# KiCad board MacroBoard-rounded.kicad_pcb (continued)
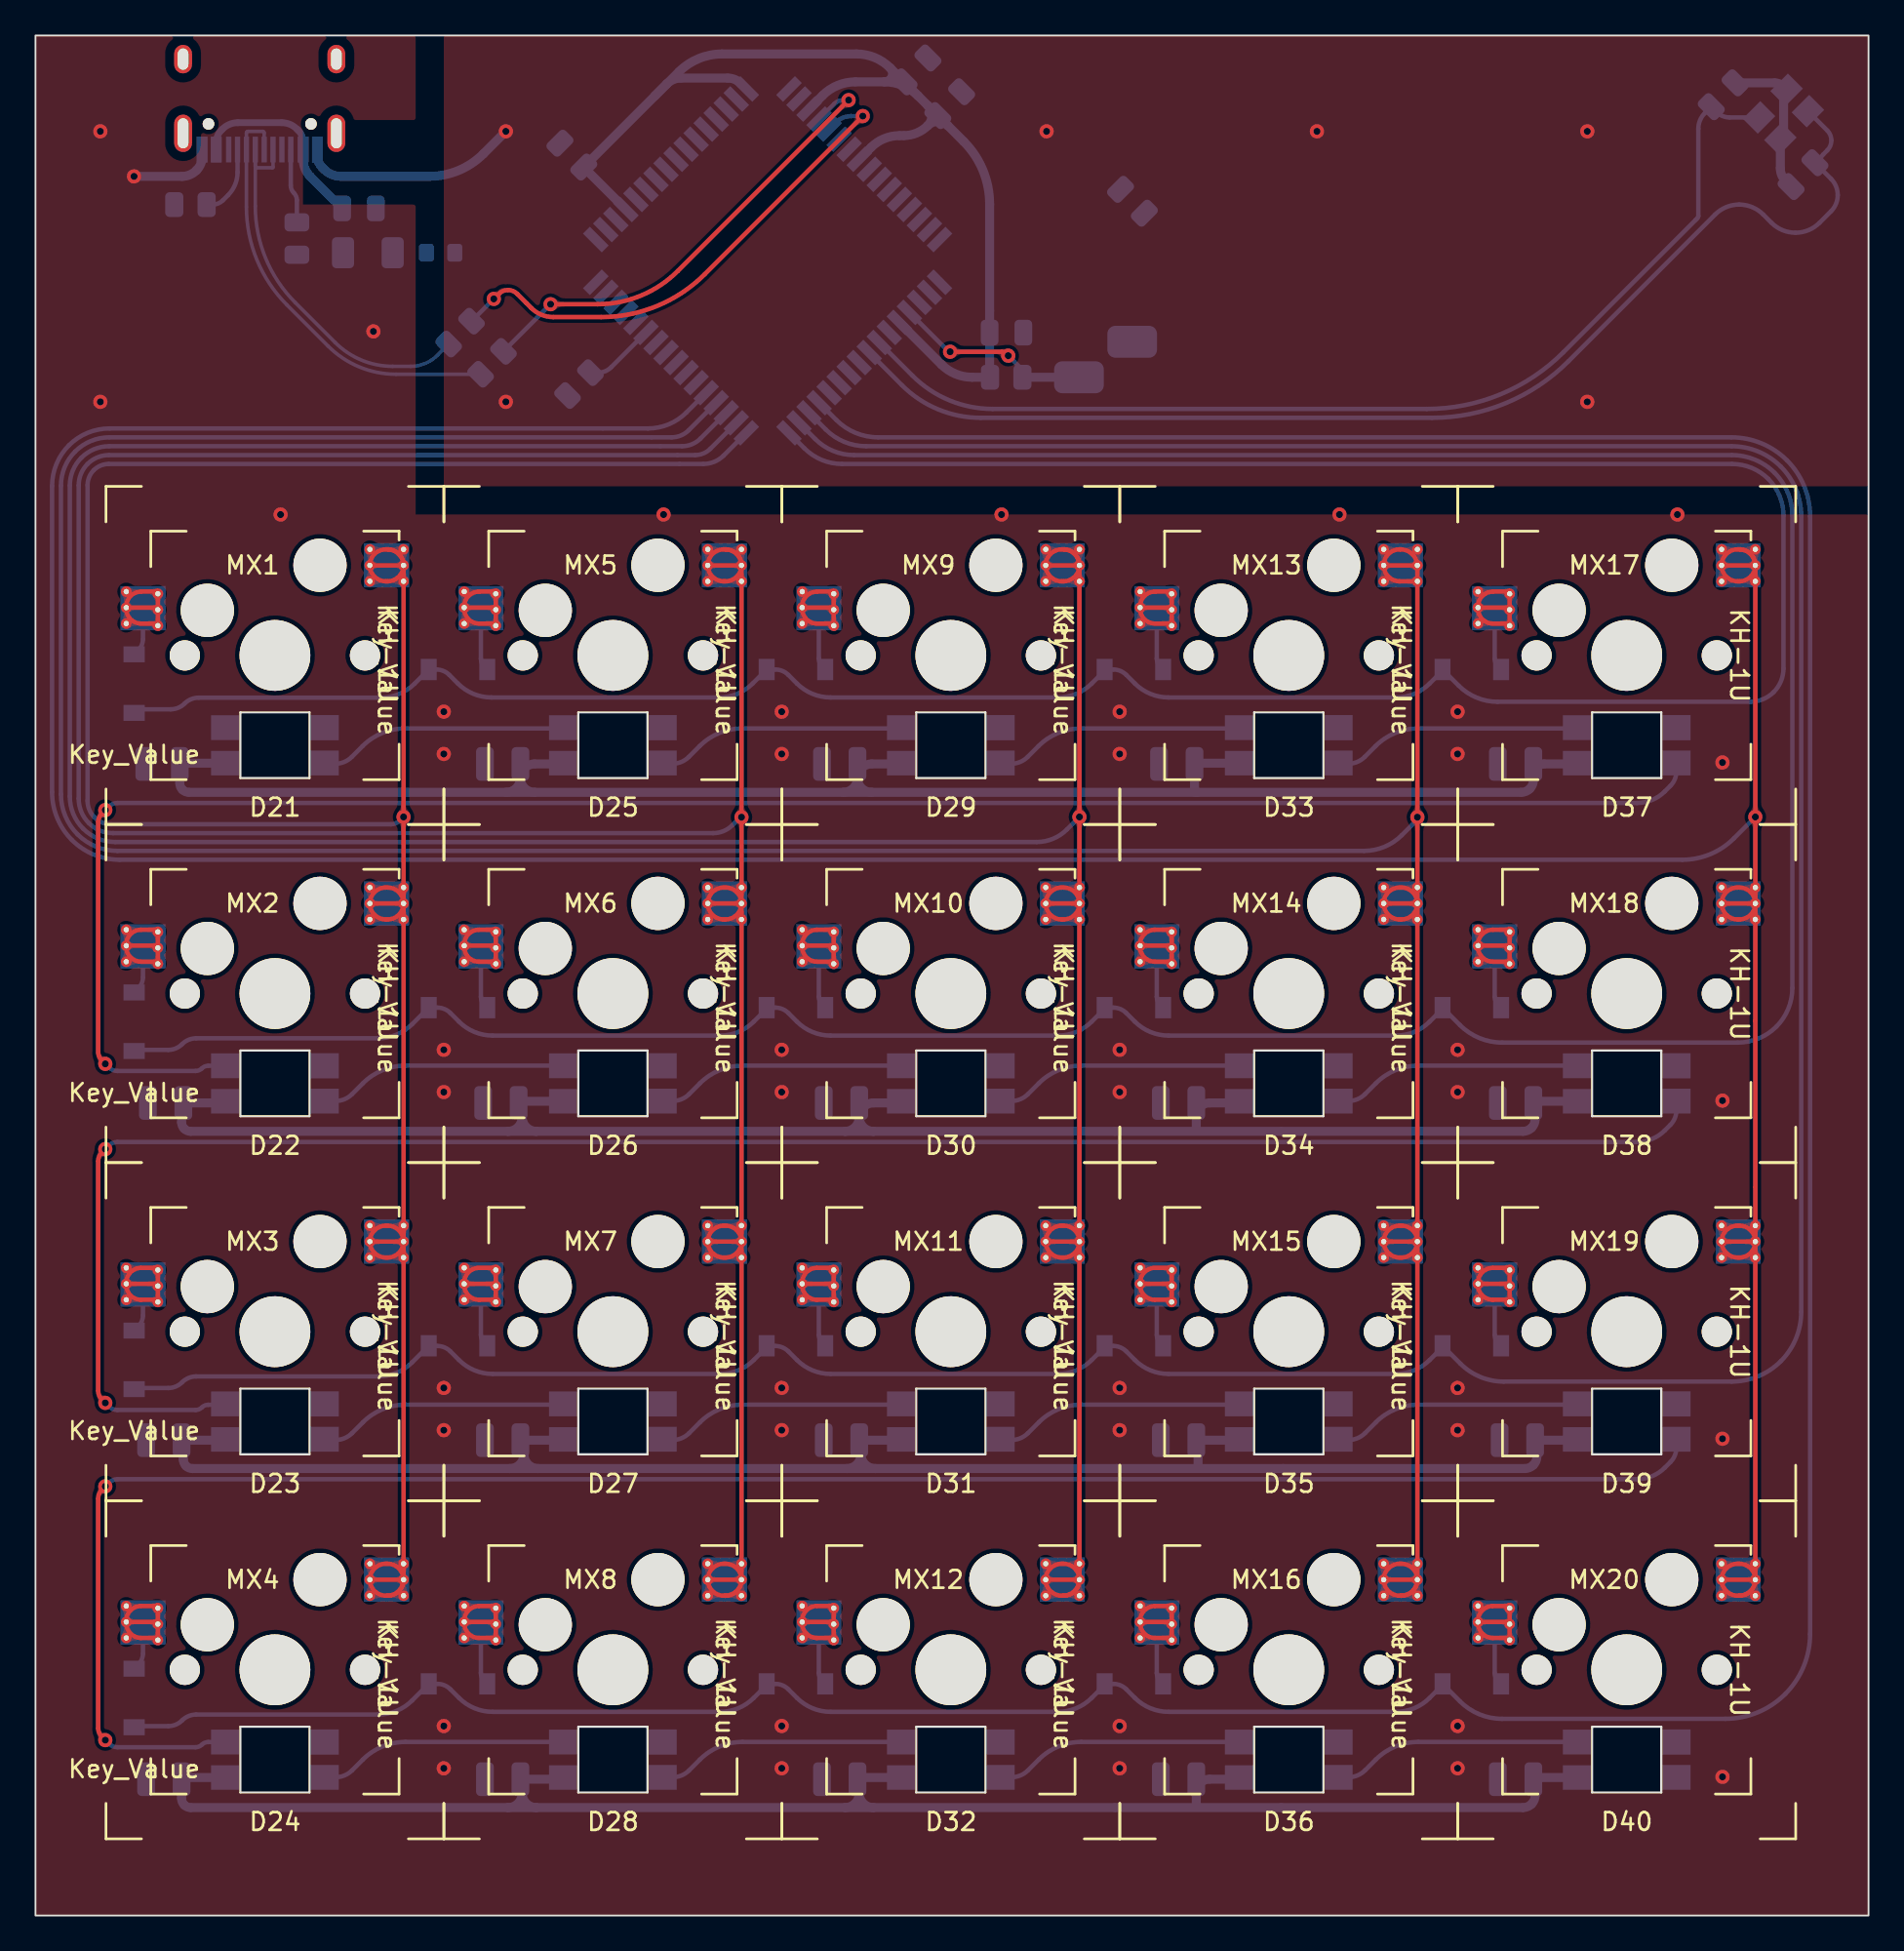
[diagram p0: board, top side]
## Routing (per net, layer and track width the routed paths; a pad name or vN(x,y) marks a point on that pad's centre or on a via; arc(x,y) is an arc through that point) (continued)
GND: length 26.1
  Bottom w0.508: C5.2 98.66,97.71 arc(98.44,98.05) 98.36,98.44 98.36,99.97 arc(98.38,100.09) 98.45,100.19 arc(98.52,100.29) 98.54,100.41 98.54,102.57 arc(98.56,102.68) 98.63,102.77 arc(98.66,102.86) 98.63,102.95 98.52,103.06 arc(98.3,103.2) 98.04,103.25 C6.2 ; v1(5.56,97.98) 8.26,97.98 arc(8.7,98.07) 9.06,98.31 9.09,98.34 arc(9.31,98.68) 9.39,99.07 J1.A1 ; J1.A12 15.89,99.13 arc(15.96,98.79) 16.15,98.5 16.28,98.37 arc(16.71,98.08) 17.22,97.98 22.18,97.98 arc(23.84,98.31) 25.25,99.25 v1(26.52,100.52)
  vias: v1(3.66,100.52) v1(3.66,85.28) v1(13.82,78.93) v1(19.05,89.25) v1(23.02,67.82) v1(23.02,65.44) v1(23.02,48.77) v1(23.02,46.39) v1(23.02,29.73) v1(23.02,27.34) v1(23.02,10.68) v1(23.02,8.3) v1(26.52,85.28) v1(35.41,78.93) v1(42.07,67.82) v1(42.07,65.44) v1(42.07,48.77) v1(42.07,46.39) v1(42.07,29.73) v1(42.07,27.34) v1(42.07,10.68) v1(42.07,8.3) v1(54.46,78.93) v1(57,100.52) v1(61.11,67.82) v1(61.11,65.44) v1(61.11,48.77) v1(61.11,46.39) v1(61.11,29.73) v1(61.11,27.34) v1(61.11,10.68) v1(61.11,8.3) v1(72.24,100.52) v1(73.51,78.93) v1(80.16,67.82) v1(80.16,65.44) v1(80.16,48.77) v1(80.16,46.39) v1(80.16,29.73) v1(80.16,27.34) v1(80.16,10.68) v1(80.16,8.3) v1(87.48,100.52) v1(87.48,85.28) v1(92.56,78.93) v1(95.1,64.96) v1(95.1,45.91) v1(95.1,26.86) v1(95.1,7.81)
VCC: length 11.1
  Bottom w0.381: J1.A4 10.19,99.9 arc(10.26,100.27) 10.47,100.58 10.55,100.65 arc(10.94,100.92) 11.41,101.01 13.88,101.01 arc(14.34,100.92) 14.74,100.65 14.81,100.58 arc(15.02,100.27) 15.09,99.9 J1.A9
  Bottom w0.508: J1.A9 15.09,98.94 arc(15.19,98.42) 15.49,97.98 C1.1 ; 17.29,93.66 17.27,93.64
COL0: length 166
  Top w0.25: MX4.1 MX4.1 ; MX4.1 arc(19.11,19.55) 19.75,19.82 19.85,19.82 arc(20.48,19.55) MX4.1 ; MX4.1 arc(19.11,18.28) 19.75,18.02 19.85,18.02 ; MX4.1 v1(20.75,61.89) MX1.1 ; MX4.1 arc(20.48,18.28) 19.85,18.02 ; MX4.1 arc(20.48,18.28) 19.85,18.02 ; 19.85,76.97 19.75,76.97 arc(19.11,76.7) MX1.1 ; 19.85,76.97 arc(20.48,76.7) MX1.1 ; 19.85,76.97 arc(20.48,76.7) MX1.1 ; MX3.1 MX3.1 ; MX3.1 arc(19.11,37.33) 19.75,37.07 19.85,37.07 arc(20.48,37.33) MX3.1 ; MX3.1 arc(19.11,38.6) 19.75,38.87 19.85,38.87 arc(20.48,38.6) MX3.1 ; MX1.1 MX1.1 ; MX1.1 arc(19.11,75.43) 19.75,75.17 19.85,75.17 arc(20.48,75.43) MX1.1 ; MX2.1 MX2.1 ; MX2.1 arc(19.11,57.65) 19.75,57.92 19.85,57.92 arc(20.48,57.65) MX2.1 ; MX2.1 arc(19.11,56.38) 19.75,56.12 19.85,56.12 arc(20.48,56.38) MX2.1
  Bottom w0.25: U1.33 38.79,82.26 arc(38.27,81.9) 37.65,81.78 4.13,81.78 arc(3.67,81.69) 3.29,81.43 arc(3.03,81.04) 2.94,80.59 2.94,62.8 arc(3.04,62.3) 3.32,61.87 arc(3.75,61.58) 4.26,61.48 20.04,61.48 arc(20.31,61.53) 20.54,61.69 v1(20.75,61.89)
COL1: length 186.2
  Top w0.25: 38.9,18.02 38.8,18.02 arc(38.16,18.28) MX8.1 ; 38.9,18.02 arc(39.53,18.28) MX8.1 ; 38.9,18.02 arc(39.53,18.28) MX8.1 ; MX8.1 v1(39.8,61.88) MX5.1 ; MX8.1 MX8.1 ; MX8.1 arc(39.53,19.55) 38.9,19.82 38.8,19.82 arc(38.16,19.55) MX8.1 ; MX5.1 MX5.1 ; MX5.1 arc(38.16,76.7) 38.8,76.97 38.9,76.97 ; MX5.1 arc(38.16,75.43) 38.8,75.17 38.9,75.17 arc(39.53,75.43) MX5.1 ; MX5.1 arc(39.53,76.7) 38.9,76.97 ; MX5.1 arc(39.53,76.7) 38.9,76.97 ; MX6.1 MX6.1 ; MX6.1 arc(38.16,57.65) 38.8,57.92 38.9,57.92 arc(39.53,57.65) MX6.1 ; MX6.1 arc(38.16,56.38) 38.8,56.12 38.9,56.12 arc(39.53,56.38) MX6.1 ; MX7.1 MX7.1 ; MX7.1 arc(39.53,37.33) 38.9,37.07 38.8,37.07 arc(38.16,37.33) MX7.1 ; MX7.1 arc(39.53,38.6) 38.9,38.87 38.8,38.87 arc(38.16,38.6) MX7.1
  Bottom w0.25: U1.34 38.04,82.64 arc(37.65,82.37) 37.18,82.28 4.14,82.28 arc(3.49,82.15) 2.94,81.78 arc(2.57,81.23) 2.44,80.57 2.44,62.93 arc(2.58,62.18) 3.01,61.55 arc(3.64,61.13) 4.38,60.98 38.2,60.98 arc(38.79,61.1) 39.29,61.43 39.71,61.86 arc(39.74,61.88) 39.77,61.88 v1(39.8,61.88)
COL2: length 206.4
  Top w0.25: MX9.1 v1(58.85,61.89) MX12.1 ; MX9.1 MX9.1 ; MX9.1 arc(58.58,76.7) 57.95,76.97 ; MX9.1 arc(58.58,75.43) 57.95,75.17 57.85,75.17 arc(57.21,75.43) MX9.1 ; MX9.1 arc(58.58,76.7) 57.95,76.97 ; 57.95,76.97 57.85,76.97 arc(57.21,76.7) MX9.1 ; MX12.1 MX12.1 ; MX12.1 arc(58.58,19.55) 57.95,19.82 57.85,19.82 arc(57.21,19.55) MX12.1 ; MX12.1 arc(58.58,18.28) 57.95,18.02 ; MX12.1 arc(58.58,18.28) 57.95,18.02 ; MX12.1 arc(57.21,18.28) 57.85,18.02 57.95,18.02 ; MX10.1 MX10.1 ; MX10.1 arc(57.21,57.65) 57.85,57.92 57.95,57.92 arc(58.58,57.65) MX10.1 ; MX10.1 arc(57.21,56.38) 57.85,56.12 57.95,56.12 arc(58.58,56.38) MX10.1 ; MX11.1 MX11.1 ; MX11.1 arc(57.21,38.6) 57.85,38.87 57.95,38.87 arc(58.58,38.6) MX11.1 ; MX11.1 arc(57.21,37.33) 57.85,37.07 57.95,37.07 arc(58.58,37.33) MX11.1
  Bottom w0.25: v1(58.85,61.89) 58.14,61.19 arc(57.36,60.66) 56.44,60.48 4.5,60.48 arc(3.52,60.68) 2.69,61.23 arc(2.13,62.07) 1.94,63.05 1.94,80.56 arc(2.1,81.41) 2.59,82.13 arc(3.31,82.61) 4.15,82.78 36.45,82.78 arc(37.01,82.89) 37.48,83.21 U1.35
COL3: length 224.7
  Top w0.25: MX15.1 MX15.1 ; MX15.1 arc(77.63,38.6) 77,38.87 76.9,38.87 arc(76.26,38.6) MX15.1 ; MX15.1 arc(77.63,37.33) 77,37.07 76.9,37.07 arc(76.26,37.33) MX15.1 ; MX13.1 MX13.1 ; MX13.1 arc(76.26,76.7) 76.9,76.97 76.95,76.97 arc(77.62,76.69) 77.9,76.02 v1(77.9,61.88) MX16.1 ; MX13.1 arc(76.26,75.43) 76.9,75.17 MX13.1 ; 77,18.02 76.9,18.02 arc(76.26,18.28) MX16.1 ; 77,18.02 arc(77.63,18.28) MX16.1 ; 77,18.02 arc(77.63,18.28) MX16.1 ; MX14.1 MX14.1 ; MX14.1 arc(76.26,57.65) 76.9,57.92 77,57.92 arc(77.63,57.65) MX14.1 ; MX14.1 arc(76.26,56.38) 76.9,56.12 77,56.12 arc(77.63,56.38) MX14.1 ; MX16.1 MX16.1 ; MX16.1 arc(77.63,19.55) 77,19.82 76.9,19.82 arc(76.26,19.55) MX16.1
  Bottom w0.25: U1.36 36.82,83.68 arc(36.38,83.38) 35.86,83.28 4.17,83.28 arc(3.12,83.07) 2.24,82.48 arc(1.64,81.59) 1.44,80.55 1.44,63.17 arc(1.68,61.95) 2.37,60.92 arc(3.4,60.22) 4.62,59.98 74.89,59.98 arc(76.04,60.21) 77.02,60.86 77.85,61.69 arc(77.89,61.75) 77.9,61.81 v1(77.9,61.88)
COL4: length 246.7
  Top w0.25: MX17.1 v1(96.95,61.89) MX20.1 ; MX17.1 MX17.1 ; MX17.1 arc(96.68,75.43) 96.05,75.17 95.95,75.17 arc(95.31,75.43) MX17.1 ; MX17.1 arc(96.68,76.7) 96.05,76.97 ; MX17.1 arc(96.68,76.7) 96.05,76.97 ; MX18.1 MX18.1 ; MX18.1 arc(95.31,56.38) 95.95,56.12 96.05,56.12 arc(96.68,56.38) MX18.1 ; MX18.1 arc(95.31,57.65) 95.95,57.92 96.05,57.92 arc(96.68,57.65) MX18.1 ; MX20.1 MX20.1 ; MX20.1 arc(96.68,19.55) 96.05,19.82 95.95,19.82 arc(95.31,19.55) MX20.1 ; MX20.1 arc(96.68,18.28) 96.05,18.02 ; MX20.1 arc(96.68,18.28) 96.05,18.02 ; 96.05,18.02 95.95,18.02 arc(95.31,18.28) MX20.1 ; MX17.1 arc(95.31,76.7) 95.95,76.97 96.05,76.97 ; MX19.1 MX19.1 ; MX19.1 arc(95.31,38.6) 95.95,38.87 96.05,38.87 arc(96.68,38.6) MX19.1 ; MX19.1 arc(95.31,37.33) 95.95,37.07 96.05,37.07 arc(96.68,37.33) MX19.1
  Bottom w0.25: v1(96.95,61.89) 95.74,60.69 arc(94.41,59.79) 92.83,59.48 4.75,59.48 arc(3.29,59.77) 2.05,60.6 arc(1.23,61.83) 0.94,63.29 0.94,80.54 arc(1.18,81.78) 1.89,82.83 arc(2.94,83.53) 4.18,83.78 34.52,83.78 arc(35.7,84.01) 36.69,84.68 U1.37
D+: length 21.6
  Bottom w0.2: R4.2 22.66,87.91 arc(21.97,87.44) 21.15,87.28 20.14,87.28 arc(18.38,87.63) 16.89,88.63 14.64,90.87 arc(12.98,93.37) 12.39,96.31 12.39,99.01 12.39,98.56 arc(12.4,98.52) 12.42,98.5 arc(12.44,98.48) 12.48,98.47 13.35,98.47 arc(13.36,98.47) 13.38,98.48 arc(13.39,98.5) 13.39,98.51 J1.B6
D-: length 24.6
  Bottom w0.2: J1.A7 12.89,100.43 arc(12.88,100.47) 12.87,100.49 arc(12.84,100.51) 12.8,100.52 11.98,100.52 arc(11.94,100.51) 11.92,100.49 arc(11.9,100.47) 11.89,100.43 11.89,96.26 arc(12.49,93.27) 14.18,90.74 16.49,88.42 arc(18.25,87.25) 20.33,86.84 R3.2
ROW0: length 165.4
  Bottom w0.25: D17.1 80.23,69.29 arc(81.23,68.62) 82.42,68.38 96.66,68.38 arc(97.38,68.52) 97.99,68.93 arc(98.39,69.54) 98.54,70.26 98.54,78.88 arc(98.31,79.99) 97.69,80.93 arc(96.74,81.56) 95.63,81.78 45.47,81.78 arc(44.32,82.01) 43.35,82.66 U1.32 ; 79.38,70.2 78.59,69.41 arc(77.72,68.83) 76.69,68.63 63.87,68.63 arc(62.84,68.83) 61.97,69.41 61.49,69.9 arc(61.15,70.12) 60.76,70.2 arc(60.36,70.12) 60.03,69.9 59.54,69.41 arc(58.67,68.83) 57.64,68.63 44.82,68.63 arc(43.79,68.83) 42.92,69.41 42.44,69.9 arc(42.1,70.12) 41.71,70.2 41.28,70.2 ; D1.1 5.66,67.86 arc(5.77,67.93) 5.91,67.96 7.62,67.96 arc(8.05,68.04) 8.41,68.29 arc(8.77,68.53) 9.2,68.61 19.46,68.61 arc(20.49,68.82) 21.37,69.41 21.86,69.9 arc(22.2,70.12) 22.59,70.2 arc(22.99,70.12) 23.33,69.9 23.81,69.41 arc(24.68,68.83) 25.71,68.63 38.53,68.63 arc(39.56,68.83) 40.43,69.41 D9.1
ROW1: length 184.6
  Bottom w0.25: U1.31 43.95,83.19 arc(44.96,82.52) 46.14,82.28 95.62,82.28 arc(96.93,82.02) 98.04,81.28 arc(98.78,80.17) 99.04,78.87 99.04,52.25 arc(98.8,51.08) 98.14,50.08 arc(97.14,49.42) 95.96,49.18 82.68,49.18 arc(81.39,49.44) 80.3,50.17 D18.1 ; 22.03,51.01 21.23,50.22 arc(20.35,49.63) 19.32,49.42 9.06,49.42 arc(8.63,49.34) 8.27,49.1 arc(7.91,48.85) 7.48,48.77 5.62,48.77 ; 22.23,51.15 22.66,51.15 arc(23.05,51.07) 23.39,50.85 23.87,50.36 arc(24.74,49.78) 25.77,49.58 38.59,49.58 arc(39.62,49.78) 40.49,50.36 40.98,50.85 arc(41.31,51.07) 41.71,51.15 arc(42.1,51.07) 42.44,50.85 42.92,50.36 arc(43.79,49.78) 44.82,49.58 57.64,49.58 arc(58.67,49.78) 59.54,50.36 60.03,50.85 arc(60.36,51.07) 60.76,51.15 arc(61.15,51.07) 61.49,50.85 61.97,50.36 arc(62.84,49.78) 63.87,49.58 76.69,49.58 arc(77.72,49.78) 78.59,50.36 79.38,51.15
ROW2: length 204.1
  Bottom w0.25: 79.38,32.09 78.59,31.3 arc(77.72,30.72) 76.69,30.51 63.87,30.51 arc(62.84,30.72) 61.97,31.3 61.49,31.78 arc(61.15,32.01) 60.76,32.09 arc(60.36,32.01) 60.03,31.78 59.54,31.3 arc(58.67,30.72) 57.64,30.51 44.82,30.51 arc(43.79,30.72) 42.92,31.3 42.44,31.78 arc(42.1,32.01) 41.71,32.09 arc(41.31,32.01) 40.98,31.78 40.49,31.3 arc(39.62,30.72) 38.59,30.51 25.77,30.51 arc(24.74,30.72) 23.87,31.3 23.39,31.78 arc(23.05,32.01) 22.66,32.09 22.23,32.09 ; 5.62,29.72 7.48,29.72 arc(7.91,29.8) 8.27,30.05 arc(8.63,30.29) 9.06,30.37 19.32,30.37 arc(20.35,30.58) 21.23,31.17 22.03,31.96 ; U1.30 44.55,83.72 arc(45.59,83.03) 46.82,82.78 95.61,82.78 arc(97.11,82.48) 98.39,81.63 arc(99.24,80.36) 99.54,78.85 99.54,34.01 arc(99.24,32.5) 98.39,31.23 arc(97.11,30.38) 95.61,30.08 82.76,30.08 arc(81.44,30.34) 80.33,31.09 D19.1
ROW3: length 223.4
  Bottom w0.25: 5.62,10.67 7.48,10.67 arc(7.91,10.75) 8.27,11 arc(8.63,11.24) 9.06,11.32 19.32,11.32 arc(20.35,11.53) 21.23,12.12 22.03,12.91 ; 79.38,13.05 78.59,12.26 arc(77.72,11.68) 76.69,11.48 63.87,11.48 arc(62.84,11.68) 61.97,12.26 61.49,12.75 arc(61.15,12.97) 60.76,13.05 arc(60.36,12.97) 60.03,12.75 59.54,12.26 arc(58.67,11.68) 57.64,11.48 44.82,11.48 arc(43.79,11.68) 42.92,12.26 42.44,12.75 arc(42.1,12.97) 41.71,13.05 arc(41.31,12.97) 40.98,12.75 40.49,12.26 arc(39.62,11.68) 38.59,11.48 25.77,11.48 arc(24.74,11.68) 23.87,12.26 23.39,12.75 arc(23.05,12.97) 22.66,13.05 22.23,13.05 ; D20.1 80.3,12.07 arc(81.39,11.34) 82.68,11.08 95.26,11.08 arc(97.08,11.44) 98.64,12.48 arc(99.67,14.03) 100.04,15.86 100.04,78.84 arc(99.7,80.54) 98.74,81.98 arc(97.3,82.94) 95.6,83.28 47.5,83.28 arc(46.23,83.53) 45.15,84.26 U1.29
Net-(C5-Pad1): length 67.6
  Bottom w0.25: U1.24 48.84,86.22 arc(50.88,84.86) 53.28,84.38 78.72,84.38 arc(82.89,85.21) 86.42,87.57 94.68,95.83 arc(95.3,96.25) 96.04,96.4 arc(96.77,96.25) 97.39,95.83 97.86,95.37 arc(98.48,94.95) 99.21,94.81 arc(99.95,94.95) 100.57,95.37 101.22,96.02 arc(101.5,96.44) 101.59,96.93 arc(101.5,97.43) 101.22,97.84 100.77,98.29 arc(100.58,98.75) 100.77,99.22 101,99.45 arc(101.18,99.71) 101.24,100.01 arc(101.18,100.31) 101,100.57 Y1.1
Net-(C6-Pad1): length 60.6
  Bottom w0.25: Y1.3 95.5,101.3 arc(95.1,101.38) 94.77,101.61 arc(94.46,101.73) 94.16,101.61 94.1,101.55 arc(93.83,101.14) 93.74,100.67 93.74,95.75 arc(93.72,95.69) 93.69,95.63 93.59,95.53 86.12,88.07 arc(82.59,85.71) 78.43,84.88 53.96,84.88 arc(51.51,85.37) 49.44,86.75 U1.23
Net-(D1-Pad2): length 11
  Top w0.25: MX1.2 6.69,73.69 arc(6.77,73.67) 6.84,73.63 MX1.2 ; 5.12,73.62 5.12,73.76 arc(5.36,74.35) 5.95,74.59 6.69,74.59 arc(6.77,74.57) 6.84,74.53 arc(6.88,74.46) 6.9,74.38 6.9,72.75 arc(6.88,72.72) 6.84,72.73 arc(6.77,72.77) 6.69,72.79 5.95,72.79 arc(5.36,73.03) 5.12,73.62
  Bottom w0.25: 5.56,71.06 5.81,71.3 arc(5.99,71.58) 6.06,71.91 MX1.2
Net-(D2-Pad2): length 11
  Top w0.25: MX2.2 6.69,54.64 arc(6.77,54.62) 6.84,54.58 MX2.2 ; 6.69,53.74 5.95,53.74 arc(5.36,53.98) 5.12,54.57 5.12,54.71 arc(5.36,55.3) 5.95,55.54 6.69,55.54 arc(6.77,55.52) 6.84,55.48 arc(6.88,55.41) 6.9,55.33 6.9,53.7 arc(6.88,53.67) 6.84,53.68 arc(6.77,53.72) 6.69,53.74
  Bottom w0.25: MX2.2 6.06,52.86 arc(5.99,52.53) 5.81,52.25 5.56,52.01
Net-(D3-Pad2): length 11
  Top w0.25: MX3.2 6.69,35.59 arc(6.77,35.57) 6.84,35.53 MX3.2 ; 5.95,34.69 6.69,34.69 arc(6.77,34.67) 6.84,34.63 arc(6.88,34.62) 6.9,34.65 6.9,36.28 arc(6.88,36.36) 6.84,36.43 arc(6.77,36.47) 6.69,36.49 5.95,36.49 arc(5.36,36.25) 5.12,35.66 5.12,35.52 arc(5.36,34.93) 5.95,34.69
  Bottom w0.25: MX3.2 6.06,33.81 arc(5.99,33.48) 5.81,33.2 D3.2
Net-(D4-Pad2): length 11
  Top w0.25: MX4.2 6.69,16.54 arc(6.77,16.52) 6.84,16.48 MX4.2 ; 5.12,16.61 5.12,16.47 arc(5.36,15.88) 5.95,15.64 6.69,15.64 arc(6.77,15.62) 6.84,15.58 arc(6.88,15.57) 6.9,15.6 6.9,17.23 arc(6.88,17.31) 6.84,17.38 arc(6.77,17.42) 6.69,17.44 5.95,17.44 arc(5.36,17.2) 5.12,16.61
  Bottom w0.25: MX4.2 6.06,14.76 arc(5.99,14.43) 5.81,14.15 D4.2
Net-(D5-Pad2): length 11.8
  Top w0.25: MX5.2 25.74,73.69 arc(25.82,73.67) 25.89,73.63 MX5.2 ; 25.95,72.75 25.95,74.38 arc(25.93,74.46) 25.89,74.53 arc(25.82,74.57) 25.74,74.59 25,74.59 arc(24.41,74.35) 24.17,73.76 24.17,73.62 arc(24.41,73.03) 25,72.79 25.74,72.79 arc(25.82,72.77) 25.89,72.73 arc(25.93,72.72) 25.95,72.75
  Bottom w0.25: MX5.2 25.11,70.81 arc(25.15,70.58) 25.29,70.38 D5.2
Net-(D6-Pad2): length 11.8
  Top w0.25: MX6.2 25.89,54.58 arc(25.82,54.62) 25.74,54.64 MX6.2 ; 25,55.54 25.74,55.54 arc(25.82,55.52) 25.89,55.48 arc(25.93,55.41) 25.95,55.33 25.95,53.7 arc(25.93,53.67) 25.89,53.68 arc(25.82,53.72) 25.74,53.74 25,53.74 arc(24.41,53.98) 24.17,54.57 24.17,54.71 arc(24.41,55.3) 25,55.54
  Bottom w0.25: MX6.2 25.11,51.76 arc(25.15,51.53) 25.29,51.33 D6.2
Net-(D7-Pad2): length 11.8
  Top w0.25: MX7.2 25.74,35.59 arc(25.82,35.57) 25.89,35.53 MX7.2 ; 25.74,36.49 25,36.49 arc(24.41,36.25) 24.17,35.66 24.17,35.52 arc(24.41,34.93) 25,34.69 25.74,34.69 arc(25.82,34.67) 25.89,34.63 arc(25.93,34.62) 25.95,34.65 25.95,36.28 arc(25.93,36.36) 25.89,36.43 arc(25.82,36.47) 25.74,36.49
  Bottom w0.25: D7.2 25.29,32.28 arc(25.15,32.48) 25.11,32.71 MX7.2
Net-(D8-Pad2): length 11.8
  Top w0.25: MX8.2 25.74,16.54 arc(25.82,16.52) 25.89,16.48 MX8.2 ; 25.74,17.44 25,17.44 arc(24.41,17.2) 24.17,16.61 24.17,16.47 arc(24.41,15.88) 25,15.64 25.74,15.64 arc(25.82,15.62) 25.89,15.58 arc(25.93,15.57) 25.95,15.6 25.95,17.23 arc(25.93,17.31) 25.89,17.38 arc(25.82,17.42) 25.74,17.44
  Bottom w0.25: MX8.2 25.11,13.66 arc(25.15,13.43) 25.29,13.23 D8.2
Net-(D9-Pad2): length 11.8
  Top w0.25: MX9.2 44.94,73.63 arc(44.87,73.67) 44.79,73.69 MX9.2 ; 44.05,72.79 44.79,72.79 arc(44.87,72.77) 44.94,72.73 arc(44.98,72.72) 45,72.75 45,74.38 arc(44.98,74.46) 44.94,74.53 arc(44.87,74.57) 44.79,74.59 44.05,74.59 arc(43.46,74.35) 43.22,73.76 43.22,73.62 arc(43.46,73.03) 44.05,72.79
  Bottom w0.25: MX9.2 44.16,70.81 arc(44.2,70.58) 44.34,70.38 D9.2
Net-(D10-Pad2): length 11.8
  Top w0.25: MX10.2 44.94,54.58 arc(44.87,54.62) 44.79,54.64 MX10.2 ; 43.22,54.57 43.22,54.71 arc(43.46,55.3) 44.05,55.54 44.79,55.54 arc(44.87,55.52) 44.94,55.48 arc(44.98,55.41) 45,55.33 45,53.7 arc(44.98,53.67) 44.94,53.68 arc(44.87,53.72) 44.79,53.74 44.05,53.74 arc(43.46,53.98) 43.22,54.57
  Bottom w0.25: MX10.2 44.16,51.76 arc(44.2,51.53) 44.34,51.33 D10.2
Net-(D11-Pad2): length 11.8
  Top w0.25: MX11.2 44.79,35.59 arc(44.87,35.57) 44.94,35.53 MX11.2 ; 44.05,36.49 44.79,36.49 arc(44.87,36.47) 44.94,36.43 arc(44.98,36.36) 45,36.28 45,34.65 arc(44.98,34.62) 44.94,34.63 arc(44.87,34.67) 44.79,34.69 44.05,34.69 arc(43.46,34.93) 43.22,35.52 43.22,35.66 arc(43.46,36.25) 44.05,36.49
  Bottom w0.25: MX11.2 44.16,32.71 arc(44.2,32.48) 44.34,32.28 D11.2
Net-(D12-Pad2): length 11.8
  Top w0.25: MX12.2 44.79,16.54 arc(44.87,16.52) 44.94,16.48 MX12.2 ; 45,17.23 45,15.6 arc(44.98,15.57) 44.94,15.58 arc(44.87,15.62) 44.79,15.64 44.05,15.64 arc(43.46,15.88) 43.22,16.47 43.22,16.61 arc(43.46,17.2) 44.05,17.44 44.79,17.44 arc(44.87,17.42) 44.94,17.38 arc(44.98,17.31) 45,17.23
  Bottom w0.25: MX12.2 44.16,13.66 arc(44.2,13.43) 44.34,13.23 D12.2
Net-(D13-Pad2): length 11.8
  Top w0.25: MX13.2 63.99,73.63 arc(63.92,73.67) 63.84,73.69 MX13.2 ; 64.05,74.38 64.05,72.75 arc(64.03,72.72) 63.99,72.73 arc(63.92,72.77) 63.84,72.79 63.1,72.79 arc(62.51,73.03) 62.27,73.62 62.27,73.76 arc(62.51,74.35) 63.1,74.59 63.84,74.59 arc(63.92,74.57) 63.99,74.53 arc(64.03,74.46) 64.05,74.38
  Bottom w0.25: MX13.2 63.21,70.81 arc(63.25,70.58) 63.39,70.38 D13.2
Net-(D14-Pad2): length 11.8
  Top w0.25: MX14.2 63.99,54.58 arc(63.92,54.62) 63.84,54.64 MX14.2 ; 64.05,53.7 64.05,55.33 arc(64.03,55.41) 63.99,55.48 arc(63.92,55.52) 63.84,55.54 63.1,55.54 arc(62.51,55.3) 62.27,54.71 62.27,54.57 arc(62.51,53.98) 63.1,53.74 63.84,53.74 arc(63.92,53.72) 63.99,53.68 arc(64.03,53.67) 64.05,53.7
  Bottom w0.25: MX14.2 63.21,51.76 arc(63.25,51.53) 63.39,51.33 D14.2
Net-(D15-Pad2): length 11.8
  Top w0.25: MX15.2 63.99,35.53 arc(63.92,35.57) 63.84,35.59 MX15.2 ; 62.27,35.66 62.27,35.52 arc(62.51,34.93) 63.1,34.69 63.84,34.69 arc(63.92,34.67) 63.99,34.63 arc(64.03,34.62) 64.05,34.65 64.05,36.28 arc(64.03,36.36) 63.99,36.43 arc(63.92,36.47) 63.84,36.49 63.1,36.49 arc(62.51,36.25) 62.27,35.66
  Bottom w0.25: MX15.2 63.21,32.71 arc(63.25,32.48) 63.39,32.28 D15.2
Net-(D16-Pad2): length 11.8
  Top w0.25: MX16.2 63.84,16.54 arc(63.92,16.52) 63.99,16.48 MX16.2 ; 62.27,16.47 62.27,16.61 arc(62.51,17.2) 63.1,17.44 63.84,17.44 arc(63.92,17.42) 63.99,17.38 arc(64.03,17.31) 64.05,17.23 64.05,15.6 arc(64.03,15.57) 63.99,15.58 arc(63.92,15.62) 63.84,15.64 63.1,15.64 arc(62.51,15.88) 62.27,16.47
  Bottom w0.25: D16.2 63.39,13.23 arc(63.25,13.43) 63.21,13.66 MX16.2
Net-(D17-Pad2): length 11.8
  Top w0.25: MX17.2 83.04,73.63 arc(82.97,73.67) 82.89,73.69 MX17.2 ; 82.89,72.79 82.15,72.79 arc(81.56,73.03) 81.32,73.62 81.32,73.76 arc(81.56,74.35) 82.15,74.59 82.89,74.59 arc(82.97,74.57) 83.04,74.53 arc(83.08,74.46) 83.1,74.38 83.1,72.75 arc(83.08,72.72) 83.04,72.73 arc(82.97,72.77) 82.89,72.79
  Bottom w0.25: MX17.2 82.26,70.81 arc(82.3,70.58) 82.44,70.38 D17.2
Net-(D18-Pad2): length 11.8
  Top w0.25: MX18.2 83.04,54.58 arc(82.97,54.62) 82.89,54.64 MX18.2 ; 82.15,53.74 82.89,53.74 arc(82.97,53.72) 83.04,53.68 arc(83.08,53.67) 83.1,53.7 83.1,55.33 arc(83.08,55.41) 83.04,55.48 arc(82.97,55.52) 82.89,55.54 82.15,55.54 arc(81.56,55.3) 81.32,54.71 81.32,54.57 arc(81.56,53.98) 82.15,53.74
  Bottom w0.25: D18.2 82.44,51.33 arc(82.3,51.53) 82.26,51.76 MX18.2
Net-(D19-Pad2): length 11.8
  Top w0.25: MX19.2 82.89,35.59 arc(82.97,35.57) 83.04,35.53 MX19.2 ; 81.32,35.66 81.32,35.52 arc(81.56,34.93) 82.15,34.69 82.89,34.69 arc(82.97,34.67) 83.04,34.63 arc(83.08,34.62) 83.1,34.65 83.1,36.28 arc(83.08,36.36) 83.04,36.43 arc(82.97,36.47) 82.89,36.49 82.15,36.49 arc(81.56,36.25) 81.32,35.66
  Bottom w0.25: MX19.2 82.26,32.71 arc(82.3,32.48) 82.44,32.28 D19.2
Net-(D20-Pad2): length 11.8
  Top w0.25: MX20.2 82.89,16.54 arc(82.97,16.52) 83.04,16.48 MX20.2 ; 82.89,17.44 82.15,17.44 arc(81.56,17.2) 81.32,16.61 81.32,16.47 arc(81.56,15.88) 82.15,15.64 82.89,15.64 arc(82.97,15.62) 83.04,15.58 arc(83.08,15.57) 83.1,15.6 83.1,17.23 arc(83.08,17.31) 83.04,17.38 arc(82.97,17.42) 82.89,17.44
  Bottom w0.25: D20.2 82.44,13.23 arc(82.3,13.43) 82.26,13.66 MX20.2
Net-(D21-Pad1): length 14.1
  Bottom w0.25: 29.81,66.88 20.84,66.88 arc(19.54,66.62) 18.44,65.89 17.83,65.28 arc(17.4,64.99) 16.9,64.89 16.36,64.89
Net-(D22-Pad1): length 14.1
  Bottom w0.25: 16.37,45.89 16.92,45.89 arc(17.42,45.99) 17.85,46.28 18.46,46.89 arc(19.56,47.62) 20.86,47.88 29.82,47.88
Net-(D22-Pad3): length 111.6
  Top w0.25: v1(3.94,47.98) 3.74,48.18 arc(3.59,48.4) 3.54,48.66 3.54,61.6 arc(3.59,61.86) 3.74,62.08 v1(3.94,62.28)
  Bottom w0.25: v1(3.94,62.28) 4.14,62.48 arc(4.36,62.63) 4.62,62.68 90.27,62.68 arc(91.13,62.85) 91.85,63.33 92.16,63.65 arc(92.41,64.02) 92.5,64.46 D37.1 ; v1(3.94,47.98) 4.14,47.78 arc(4.36,47.63) 4.62,47.58 9.03,47.58 arc(9.22,47.62) 9.38,47.73 arc(9.54,47.84) 9.73,47.87 D22.3
Net-(D23-Pad1): length 14.1
  Bottom w0.25: 16.37,26.79 16.92,26.79 arc(17.42,26.89) 17.85,27.18 18.46,27.79 arc(19.56,28.52) 20.86,28.78 29.82,28.78
Net-(D23-Pad3): length 111.6
  Top w0.25: v1(3.94,28.88) 3.74,29.08 arc(3.59,29.3) 3.54,29.56 3.54,42.5 arc(3.59,42.76) 3.74,42.98 v1(3.94,43.18)
  Bottom w0.25: v1(3.94,28.88) 4.14,28.68 arc(4.36,28.53) 4.62,28.48 9.03,28.48 arc(9.22,28.52) 9.38,28.63 arc(9.54,28.74) 9.73,28.77 10.7,28.77 ; v1(3.94,43.18) 4.14,43.38 arc(4.36,43.53) 4.62,43.58 90.27,43.58 arc(91.13,43.75) 91.85,44.23 92.16,44.55 arc(92.41,44.92) 92.5,45.36 92.5,45.83
Net-(D24-Pad1): length 14.1
  Bottom w0.25: 29.82,9.78 20.86,9.78 arc(19.56,9.52) 18.46,8.79 17.85,8.18 arc(17.42,7.89) 16.92,7.79 16.37,7.79
Net-(D24-Pad3): length 111.6
  Top w0.25: v1(3.94,9.88) 3.74,10.08 arc(3.59,10.3) 3.54,10.56 3.54,23.5 arc(3.59,23.76) 3.74,23.98 v1(3.94,24.18)
  Bottom w0.25: v1(3.94,24.18) 4.14,24.38 arc(4.36,24.53) 4.62,24.58 90.27,24.58 arc(91.13,24.75) 91.85,25.23 92.16,25.55 arc(92.41,25.92) 92.5,26.36 D39.1 ; D24.3 9.73,9.77 arc(9.54,9.74) 9.38,9.63 arc(9.22,9.52) 9.03,9.48 4.62,9.48 arc(4.36,9.53) 4.14,9.68 v1(3.94,9.88)
Net-(D25-Pad1): length 14.1
  Bottom w0.25: 48.81,66.88 39.84,66.88 arc(38.54,66.62) 37.44,65.89 36.83,65.28 arc(36.4,64.99) 35.9,64.89 35.36,64.89
Net-(D26-Pad1): length 14.1
  Bottom w0.25: 35.37,45.89 35.92,45.89 arc(36.42,45.99) 36.85,46.28 37.46,46.89 arc(38.56,47.62) 39.86,47.88 48.82,47.88
Net-(D27-Pad1): length 14.1
  Bottom w0.25: 35.37,26.79 35.92,26.79 arc(36.42,26.89) 36.85,27.18 37.46,27.79 arc(38.56,28.52) 39.86,28.78 48.82,28.78
Net-(D28-Pad1): length 14.1
  Bottom w0.25: 48.82,9.78 39.86,9.78 arc(38.56,9.52) 37.46,8.79 36.85,8.18 arc(36.42,7.89) 35.92,7.79 35.37,7.79
Net-(D29-Pad1): length 14.1
  Bottom w0.25: 54.46,64.89 55,64.89 arc(55.5,64.99) 55.93,65.28 56.54,65.89 arc(57.64,66.62) 58.94,66.88 67.91,66.88
Net-(D30-Pad1): length 14.1
  Bottom w0.25: 67.92,47.88 58.96,47.88 arc(57.66,47.62) 56.56,46.89 55.95,46.28 arc(55.52,45.99) 55.02,45.89 54.47,45.89
Net-(D31-Pad1): length 14.1
  Bottom w0.25: 67.92,28.78 58.96,28.78 arc(57.66,28.52) 56.56,27.79 55.95,27.18 arc(55.52,26.89) 55.02,26.79 54.47,26.79
Net-(D32-Pad1): length 14.1
  Bottom w0.25: 54.47,7.79 55.02,7.79 arc(55.52,7.89) 55.95,8.18 56.56,8.79 arc(57.66,9.52) 58.96,9.78 67.92,9.78
Net-(D33-Pad1): length 14.1
  Bottom w0.25: 86.91,66.88 77.94,66.88 arc(76.64,66.62) 75.54,65.89 74.93,65.28 arc(74.5,64.99) 74,64.89 73.46,64.89
Net-(D34-Pad1): length 14.1
  Bottom w0.25: 86.92,47.88 77.96,47.88 arc(76.66,47.62) 75.56,46.89 74.95,46.28 arc(74.52,45.99) 74.02,45.89 73.47,45.89
Net-(D35-Pad1): length 14.1
  Bottom w0.25: 73.47,26.79 74.02,26.79 arc(74.52,26.89) 74.95,27.18 75.56,27.79 arc(76.66,28.52) 77.96,28.78 86.92,28.78
Net-(D36-Pad1): length 14.1
  Bottom w0.25: 73.47,7.79 74.02,7.79 arc(74.52,7.89) 74.95,8.18 75.56,8.79 arc(76.66,9.52) 77.96,9.78 86.92,9.78
Net-(J1-PadA5): length 4.1
  Bottom w0.25: J1.A5 11.39,98.22 arc(11.25,97.52) 10.86,96.93 10.56,96.63 arc(10.3,96.46) 9.99,96.39 R1.2
Net-(J1-PadB5): length 4.2
  Bottom w0.25: J1.B5 14.39,97.47 arc(14.44,97.24) 14.56,97.05 arc(14.69,96.86) 14.74,96.64 R2.2
Net-(R3-Pad1): length 27.1
  Top w0.25: v1(45.84,102.28) 36.21,92.65 arc(34.13,91.27) 31.69,90.78 v1(29.04,90.78)
  Bottom w0.25: U1.4 45.03,102.07 arc(45.26,102.23) 45.54,102.28 v1(45.84,102.28) ; v1(29.04,90.78) R3.1
Net-(R4-Pad1): length 29.8
  Top w0.25: v1(25.84,91.08) 26.12,91.37 arc(26.36,91.53) 26.64,91.58 arc(26.91,91.53) 27.15,91.37 27.95,90.57 arc(28.52,90.19) 29.18,90.06 31.89,90.06 arc(35.05,90.69) 37.73,92.48 v1(46.64,101.38)
  Bottom w0.25: v1(25.84,91.08) R4.1 ; U1.5 45.1,101.01 arc(45.51,101.29) 45.99,101.38 v1(46.64,101.38)
Net-(R5-Pad1): length 4
  Bottom w0.25: R5.1 31.71,86.93 arc(32.12,87.01) 32.46,87.23 U1.43
Net-(R6-Pad2): length 11.3
  Top w0.25: v1(54.84,87.88) 54.72,87.99 arc(54.6,88.07) 54.46,88.1 v1(51.56,88.1)
  Bottom w0.25: R6.2 55.63,86.87 arc(55.6,87.07) 55.49,87.23 v1(54.84,87.88) ; U1.20 51.46,88.13 arc(51.48,88.11) 51.52,88.1 v1(51.56,88.1)
  Bottom w0.508: R6.2 SW1.2

## Copper pours and planes (outline as drawn; the poured copper is in the pictures)
GND on Top: 104.77,80.52 23.02,80.52 23.02,107.51 104.77,107.51
GND on Top: 21.43,78.93 104.77,78.93 104.77,-1.23 -1.59,-1.23 -1.59,107.51 21.43,107.51
GND on Bottom: 21.43,78.93 104.77,78.93 104.77,-1.23 -1.59,-1.23 -1.59,107.51 21.43,107.51
GND on Bottom: 104.77,107.51 104.77,80.52 23.02,80.52 23.02,107.51

Small or netless copper shapes (teardrops, artwork), in the pictures only: 430 on Top, 17 on Bottom
